# Altium PCB cyber60-mxhs.PcbDoc (part 1 of 4)
Units mm, origin at the board's own origin, x right, y up, seen from the top; angles counter-clockwise.
Board outline 284.73 x 94.2 mm, 2 copper layers (Component Side, Bottom Layer), stack 1.571 mm thick; 236 components, 146 nets, 1621 pads, 605 vias.
Unrouted connection lines stored in the file: 6.
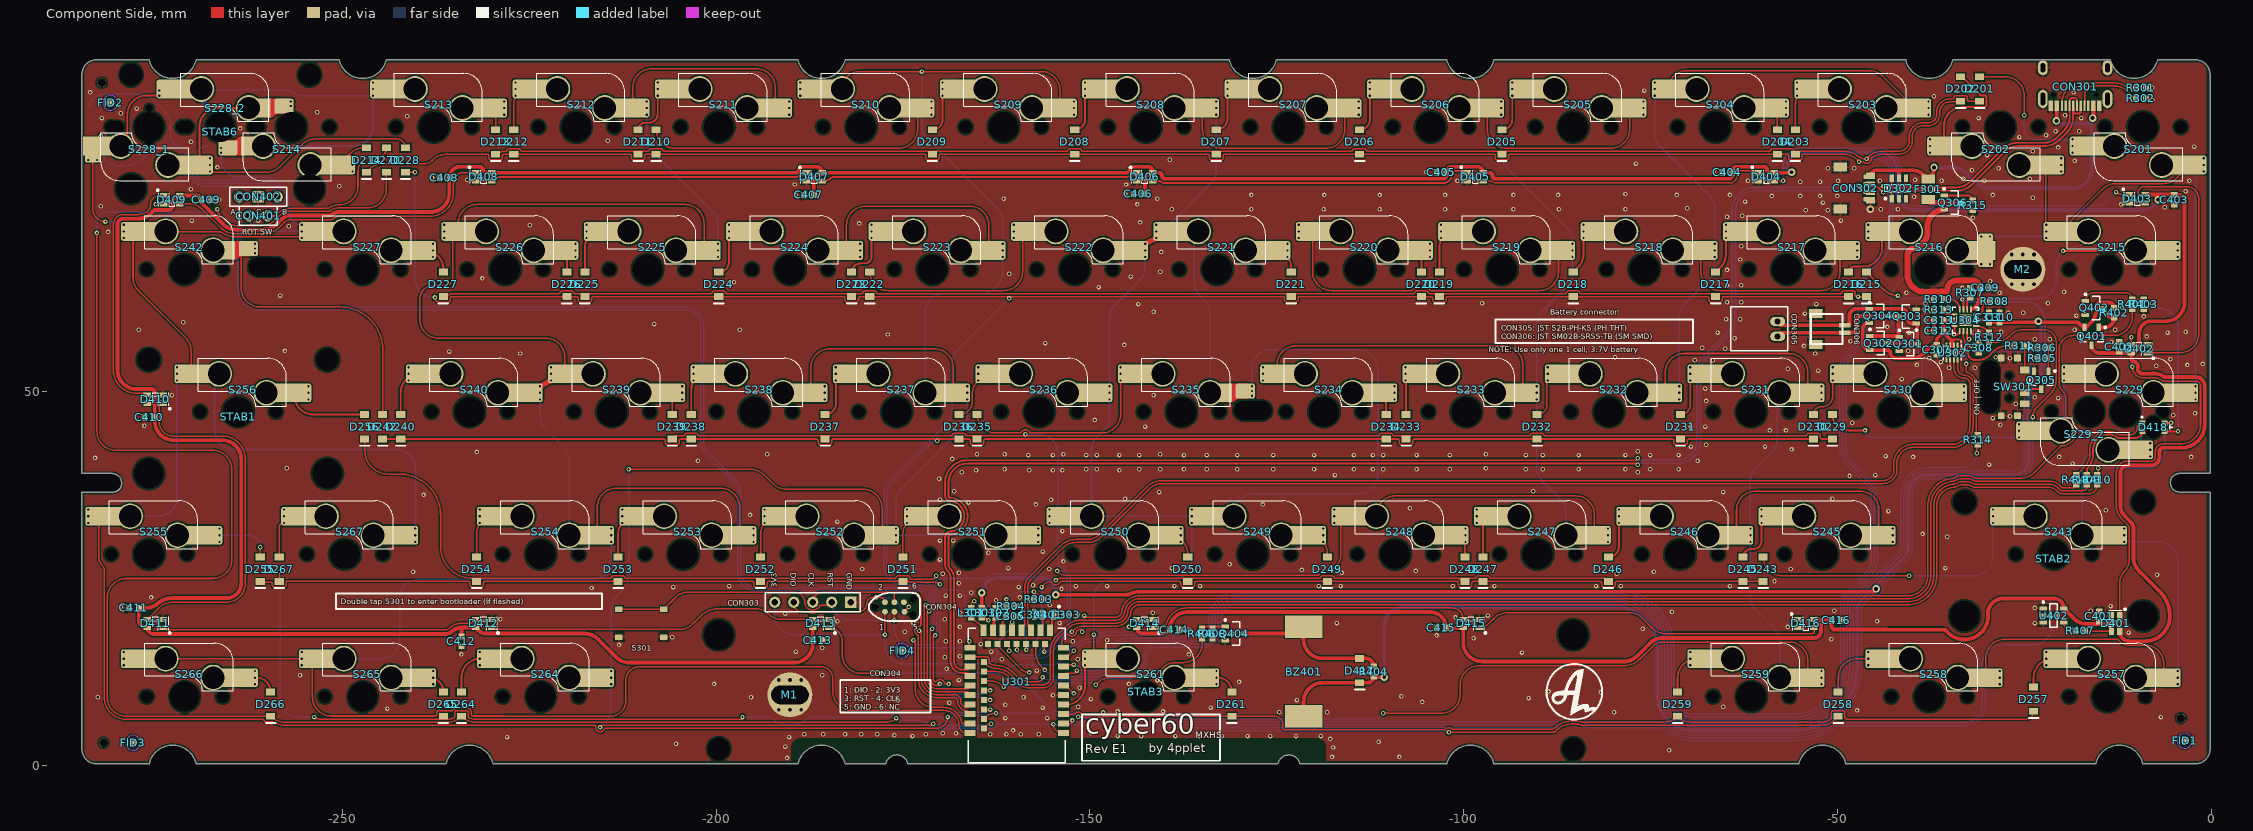
[diagram p0: Component Side view]
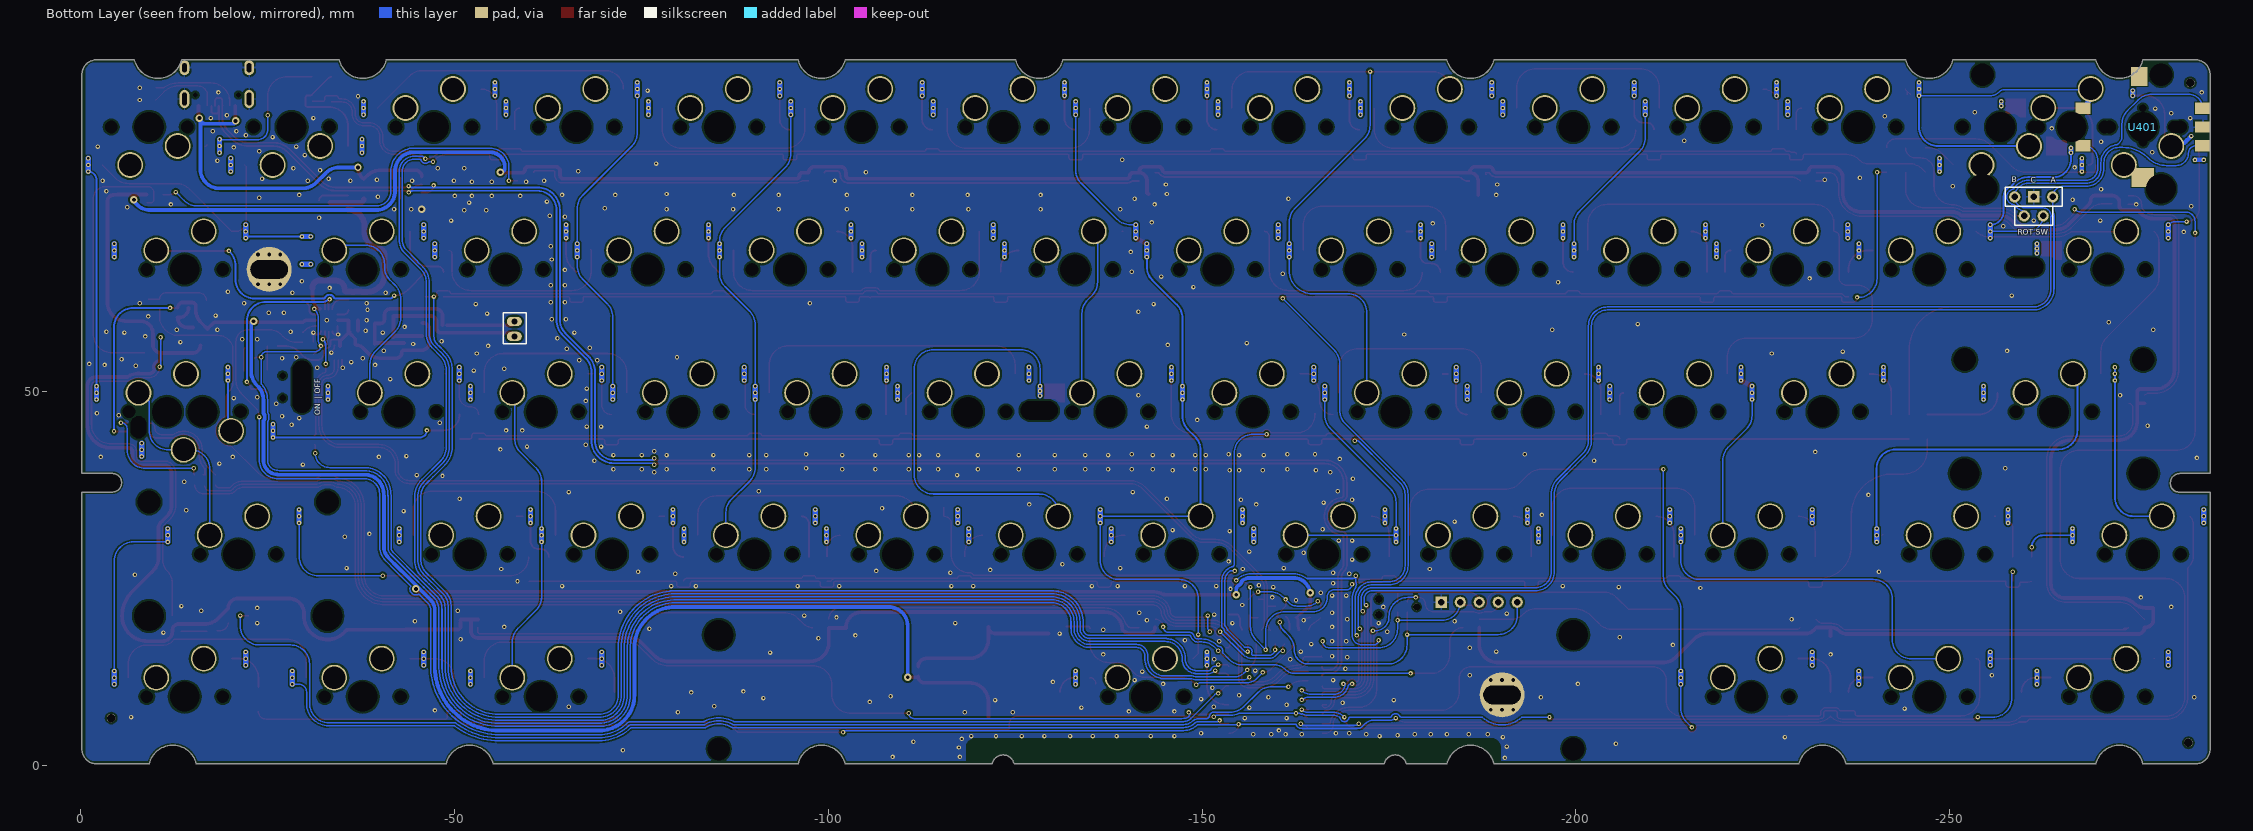
[diagram p1: Bottom Layer view, seen from below]
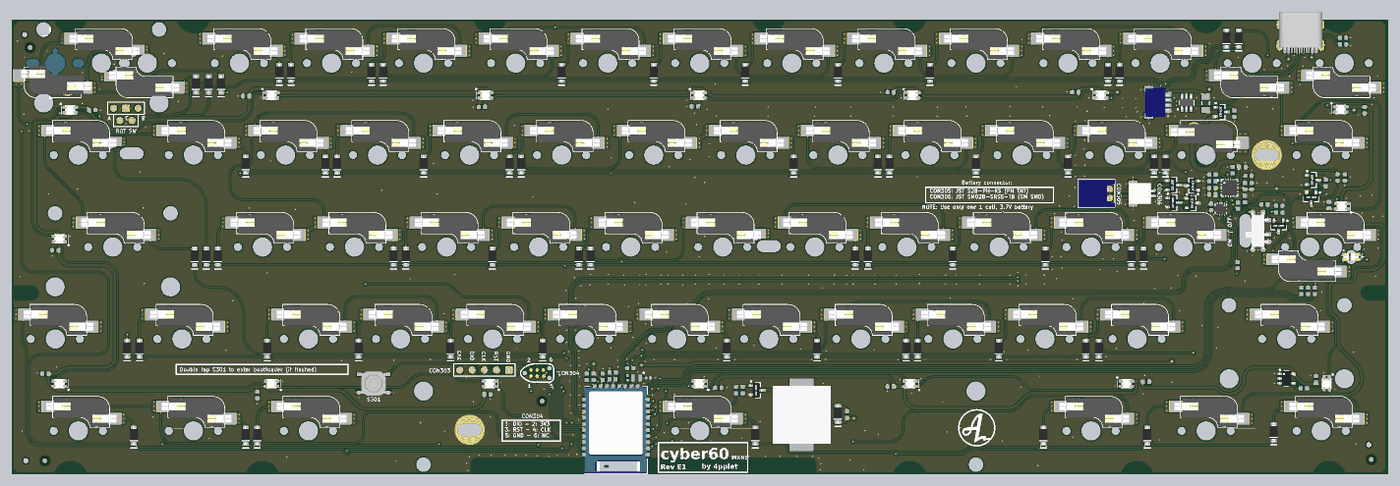
[diagram p5: 3D render of the assembled board from above, using the file's embedded part models]

## Layer stack, top to bottom
Top Solder: solder mask 0.0102, Solder Resist, Dk 3.5
Component Side: signal copper 0.0356
Dielectric 1: core 1.5, FR-4, Dk 4.2
Bottom Layer: signal copper 0.0356
Solder Side: solder mask 0.0102, Solder Resist, Dk 3.5

## Board outline
-284.85,2.215 ccw(c-282.85,2.215) -282.85,0.215 -275.85,0.215 cw(c-272.7,-0.52) -269.55,0.215 -236.137,0.215 cw(c-232.987,-0.52) -229.838,0.215 -189.05,0.215 cw(c-185.9,-0.52) -182.75,0.215 -177.293,0.215 -177.293,0.254 cw(c-175.832,-0.087) -174.371,0.254 -124.842,0.254 cw(c-123.381,-0.087) -121.92,0.254 -121.92,0.215 -102.25,0.215 cw(c-99.1,-0.52) -95.95,0.215 -55.161,0.215 cw(c-52.011,-0.52) -48.861,0.215 -15.45,0.215 cw(c-12.3,-0.52) -9.15,0.215 -2.15,0.215 ccw(c-2.15,2.215) -0.15,2.215 ccw(c-0.15,2.238) -0.127,2.238 -0.127,36.576 -4.191,36.576 cw(c-4.191,37.846) -5.461,37.846 cw(c-4.242,37.846) -4.242,39.065 -0.15,39.065 -0.15,92.415 ccw(c-2.15,92.415) -2.15,94.415 -7.177,94.415 cw(c-10.327,95.149) -13.477,94.415 -34.575,94.415 cw(c-37.724,95.149) -40.874,94.415 -95.95,94.415 cw(c-99.1,95.149) -102.25,94.415 -125.061,94.415 cw(c-128.212,95.149) -131.361,94.415 -182.75,94.415 cw(c-185.9,95.149) -189.05,94.415 -244.125,94.415 cw(c-247.274,95.149) -250.424,94.415 -269.55,94.415 cw(c-272.7,95.149) -275.85,94.415 -282.85,94.415 ccw(c-282.85,92.415) -284.85,92.415 -284.85,39.065 -280.797,39.065 cw(c-280.797,37.795) -279.527,37.795 -279.527,37.719 cw(c-280.67,37.719) -280.67,36.576 -284.861,36.576 -284.85,36.565

## Design rules (kind name [scope] priority, off if disabled: settings)
BoardOutlineClearance [All] p1: gap=0.305 ignorepadtopadclearanceinfootprint=FALSE except(0: Arc-SplitContinuation Track-SplitContinuation SMDPad-SplitContinuation THPad-SplitContinuation Via-SplitContinuation Fill-SplitContinuation Poly-SplitContinuation Region-SplitContinuation Text-SplitContinuation)
Clearance [All] p1: gap=0.2 ignorepadtopadclearanceinfootprint=FALSE except(0: Arc-Hole Track-Hole SMDPad-Hole THPad-Hole Via-Hole Fill-Hole Poly-Hole Region-Hole Text-Hole; 0.254: THPad-THPad THPad-Via THPad-Fill THPad-Poly THPad-Region THPad-Text Via-Via Via-Fill Via-Poly Via-Region Via-Text Fill-Fill Fill-Poly Fill-Region Fill-Text Poly-Poly Poly-Region Poly-Text Region-Region Region-Text Text-Text)
ComponentClearance [InComponent('No Component') And OnLayer('Component Side')] p1: gap=0.254 collisioncheckmode=3 verticalgap=0.254 showdistances=FALSE
DiffPairsRouting DiffPairsRouting_USB [InDifferentialPairClass('All Differential Pairs')] p1: maxlimit=0.254 minlimit=0.203 mostfreqgap=0.203 toplayer_minwidth=0.152 toplayer_maxwidth=0.381 toplayer_prefwidth=0.152 bottomlayer_minwidth=0.152 bottomlayer_maxwidth=0.381 bottomlayer_prefwidth=0.152 maxuncoupledlength=12.7
DiffPairsRouting [All] p2: maxlimit=0.254 minlimit=0.254 mostfreqgap=0.254 toplayer_minwidth=0.381 toplayer_maxwidth=0.381 toplayer_prefwidth=0.381 bottomlayer_minwidth=0.381 bottomlayer_maxwidth=0.381 bottomlayer_prefwidth=0.381 maxuncoupledlength=12.7
HoleSize [All] p1: absolutevalues=TRUE maxlimit=20 minlimit=0.025 maxpercent=80.000 minpercent=20.000
MatchedLengths MatchedLengths_USB_DiffPairs_1 [All] p1: tolerance=0.127 checknetsindiffpair=TRUE checkdiffpairvsdiffpair=FALSE checkxsignals=FALSE checkothers=FALSE
MatchedLengths MatchedLengths_USB_DiffPairs [All] p2: tolerance=0.127 checknetsindiffpair=TRUE checkdiffpairvsdiffpair=FALSE checkxsignals=FALSE checkothers=FALSE
PolygonConnect PolygonConnect_1 [All vs IsVia] p1: connectstyle=Direct reliefconductorwidth=0.254 reliefentries=4 polygonreliefangle="90 Angle" airgapwidth=0.254
PolygonConnect [All] p2: connectstyle=Relief reliefconductorwidth=0.254 reliefentries=4 polygonreliefangle="90 Angle" airgapwidth=0.254
RoutingVias [All] p1: holewidth=0.711 width=1.27 viastyle="Through Hole" minholewidth=0.3 minwidth=0.6 maxholewidth=0.711 maxwidth=1.27
SolderMaskExpansion [All] p1: expansion=0.102 istentingtop=FALSE
Width [All] p1: maxlimit=1.016 minlimit=0.203 preferedwidth=0.203
27 further rules are at their usual default settings.

## Classes and differential pairs
component class Designator: 2 C201 C202 C203 C204 C205 C206 D201 D202 D203 D204 D205 D206 D207 D208 D209 D210 D211 D212 D213 D214 D215 D216 D217 D218 D219 D220 D221 D222 D223 D224 D225 D226 D227 D228 D229 D230 D231 D232 D233 D234 D235 D236 D237 D238 D239 D240 D242 D243 D245 D246 D247 D248 D249 D250 D251 D252 D253 D254 D255 D256 D257 D258 D259 D261 D264 D265 D266 D267 D270 S201 S202 S203 S204 S205 S206 S207 S208 S209 S210 S211 S212 S213 S214 S215 S216 S217 S218 S219 S220 S221 S222 S223 S224 S225 S226 S227 S228_1 S228_2 S229 S229_2 S230 S231 S232 S233 S234 S235 S236 S237 S238 S239 S240 S242 S243 S245 S246 S247 S248 S249 S250 S251 S252 S253 S254 S255 S256 S257 S258 S259 S261 S264 S265 S266 S267 STAB1 STAB2 STAB3 STAB6
differential pair D: +D_P -D_N

## Components (designator, comment, footprint, x,y, rotation, side; value= is the part's Value field where it differs from the comment)
BZ401 "12x12mm buzzer" "buzzer 12x12" -121.412,12.573 r90 top locked
C301 "" C0603[1608] -164.465,20.447 r90 top value=0.1uF
C302 "" C0603[1608] -162.587,20.447 r270 top value=4.7uF
C303 "" C0402[1005] -153.162,20.193 r180 top value=12pF
C304 "" C0402[1005] -157.48,20.193 r270 top value=12pF
C305 "" C0603[1608] -160.555,19.939 r0 top value=1uF
C307 "" C0603[1608] -36.703,55.626 r90 top value=0.1uF
C308 "" C0603[1608] -31.115,55.88 r270 top value=1uF
C309 "" C0603[1608] -30.226,63.881 r180 top value=0.1uF
C310 "" C0603[1608] -28.321,59.944 r270 top value=1uF
C311 "" C0603[1608] -29.718,59.944 r270 top
C312 "" C0603[1608] -36.449,58.166 r0 top value=1uF
C313 "" C0603[1608] -36.449,59.563 r0 top value=4,7uF
C401 "" C0603[1608] -14.986,19.939 r270 top value=0.1uF
C402 "" C0603[1608] -12.319,56.007 r270 top value=0.1uF
C403 "" C0603[1608] -4.953,75.692 r90 top value=0.1uF
C404 "" C0603[1608] -64.77,79.375 r0 top value=0.1uF
C405 "" C0603[1608] -102.997,79.375 r0 top value=0.1uF
C406 "" C0603[1608] -143.51,76.454 r0 top value=0.1uF
C407 "" C0603[1608] -187.579,76.327 r0 top value=0.1uF
C408 "" C0603[1608] -236.347,78.613 r0 top value=0.1uF
C409 "" C0603[1608] -268.224,75.692 r180 top value=0.1uF
C410 "" C0603[1608] -275.844,46.609 r0 top value=0.1uF
C411 "" C0603[1608] -277.876,21.082 r0 top value=0.1uF
C412 "" C0603[1608] -234.061,16.637 r90 top value=0.1uF
C413 "" C0603[1608] -186.436,16.764 r180 top value=0.1uF
C414 "" C0603[1608] -138.684,18.161 r180 top value=0.1uF
C415 "" C0603[1608] -102.997,18.415 r0 top value=0.1uF
C416 "" C0603[1608] -50.165,19.431 r180 top value=0.1uF
CON301 "TYPE-C-31-M-12" TYPE-C-31-M-12 -18.2,88.25 r180 top
CON302 "Header 5" UDB_COMBO_JST_MOLEX -47.75,77.25 r270 top
CON303 "Header 5" HDR1X5 -181.991,21.844 r180 top
CON304 "TC2030-IDC" TC2030-IDC-NL -176.149,21.209 r0 top
CON305 "JST S2B-PH THT" "JST S2B-PH-K(LF)(SN)" -58,58.404 r90 top
CON306 "JST SM02B SMD" "JST SM02B-SRSS-TB" -49,58.396 r270 top
CON401 "Header 2" HDR1X2 -259.969,73.533 r180 top
CON402 "Header 3" HDR1X3 -258.699,76.073 r180 top
D201 "Diode" SOD-123 -30.988,90.5 r90 top
D202 "Diode" SOD-123 -33.528,90.5 r90 top
D203 "Diode" SOD-123 -55.626,83.415 r90 top
D204 "Diode" SOD-123 -58.039,83.415 r90 top
D205 "Diode" SOD-123 -94.869,83.415 r90 top
D206 "Diode" SOD-123 -113.919,83.415 r90 top
D207 "Diode" SOD-123 -133.096,83.415 r90 top
D208 "Diode" SOD-123 -152.019,83.415 r90 top
D209 "Diode" SOD-123 -171.069,83.415 r90 top
D210 "Diode" SOD-123 -208.026,83.415 r90 top
D211 "Diode" SOD-123 -210.439,83.415 r90 top
D212 "Diode" SOD-123 -227.076,83.415 r90 top
D213 "Diode" SOD-123 -229.489,83.415 r90 top
D214 "Diode" SOD-123 -246.761,81 r90 top
D215 "Diode" SOD-123 -46.101,64.365 r90 top locked
D216 "Diode" SOD-123 -48.514,64.365 r90 top
D217 "Diode" SOD-123 -66.294,64.365 r90 top
D218 "Diode" SOD-123 -85.344,64.365 r90 top
D219 "Diode" SOD-123 -103.251,64.365 r90 top
D220 "Diode" SOD-123 -105.664,64.365 r90 top
D221 "Diode" SOD-123 -123.063,64.365 r90 top
D222 "Diode" SOD-123 -179.451,64.365 r90 top
D223 "Diode" SOD-123 -181.864,64.365 r90 top
D224 "Diode" SOD-123 -199.644,64.365 r90 top
D225 "Diode" SOD-123 -217.551,64.365 r90 top
D226 "Diode" SOD-123 -219.964,64.365 r90 top
D227 "Diode" SOD-123 -236.474,64.365 r90 top
D228 "Diode" SOD-123 -241.554,81 r90 top
D229 "Diode" SOD-123 -50.673,45.315 r90 top
D230 "Diode" SOD-123 -53.213,45.315 r90 top
D231 "Diode" SOD-123 -70.993,45.315 r90 top
D232 "Diode" SOD-123 -90.17,45.315 r90 top
D233 "Diode" SOD-123 -107.696,45.315 r90 top
D234 "Diode" SOD-123 -110.363,45.315 r90 top
D235 "Diode" SOD-123 -165.1,45.315 r90 top
D236 "Diode" SOD-123 -167.513,45.315 r90 top
D237 "Diode" SOD-123 -185.42,45.315 r90 top
D238 "Diode" SOD-123 -203.327,45.315 r90 top
D239 "Diode" SOD-123 -205.867,45.315 r90 top
D240 "Diode" SOD-123 -242.189,45.315 r90 top
D242 "Diode" SOD-123 -244.602,45.315 r90 top
D243 "Diode" SOD-123 -59.944,26.265 r90 top
D245 "Diode" SOD-123 -62.611,26.265 r90 top
D246 "Diode" SOD-123 -80.645,26.265 r90 top
D247 "Diode" SOD-123 -97.409,26.265 r90 top
D248 "Diode" SOD-123 -99.822,26.265 r90 top
D249 "Diode" SOD-123 -118.237,26.265 r90 top
D250 "Diode" SOD-123 -136.906,26.265 r90 top
D251 "Diode" SOD-123 -175.006,26.265 r90 top
D252 "Diode" SOD-123 -194.056,26.265 r90 top
D253 "Diode" SOD-123 -213.106,26.265 r90 top
D254 "Diode" SOD-123 -232.029,26.265 r90 top
D255 "Diode" SOD-123 -260.985,26.265 r90 top
D256 "Diode" SOD-123 -247.015,45.315 r90 top
D257 "Diode" SOD-123 -23.749,8.89 r90 top
D258 "Diode" SOD-123 -49.911,8.215 r90 top
D259 "Diode" SOD-123 -71.374,8.215 r90 top
D261 "Diode" SOD-123 -131,8.215 r90 top
D264 "Diode" SOD-123 -234.061,8.215 r90 top
D265 "Diode" SOD-123 -236.474,8.215 r90 top
D266 "Diode" SOD-123 -259.588,8.215 r90 top
D267 "Diode" SOD-123 -258.445,26.265 r90 top
D270 "Diode" SOD-123 -244.094,81 r90 top
D302 "SRV05" SOT-23-6 -41.783,77.216 r270 top
D401 "WS2812B" "WS2812B - 2020" -12.8,19 r270 top
D402 "WS2812B" "WS2812B - 2020" -9.652,55.753 r180 top
D403 "WS2812B" "WS2812B - 2020" -9.873,75.829 r0 top
D404 "WS2812B" "WS2812B - 2020" -59.5,78.75 r0 top
D405 "WS2812B" "WS2812B - 2020" -98.433,78.75 r0 top
D406 "WS2812B" "WS2812B - 2020" -142.65,78.75 r0 top
D407 "WS2812B" "WS2812B - 2020" -186.867,78.75 r0 top
D408 "WS2812B" "WS2812B - 2020" -231.083,78.75 r0 top
D409 "WS2812B" "WS2812B - 2020" -272.796,75.692 r0 top
D410 "WS2812B" "WS2812B - 2020" -275,49 r180 top
D411 "WS2812B" "WS2812B - 2020" -275,19 r180 top
D412 "WS2812B" "WS2812B - 2020" -231.083,19 r180 top
D413 "WS2812B" "WS2812B - 2020" -186,19 r180 top
D414 "WS2812B" "WS2812B - 2020" -142.65,19 r180 top
D415 "WS2812B" "WS2812B - 2020" -99,19 r180 top
D416 "WS2812B" "WS2812B - 2020" -54.217,19 r0 top
D417 "B5819W" SOD-123 -113.919,12.7 r90 top
D418 "MHT151RGBCT" MHT151RGBCT -7.723,45.254 r180 top locked
F301 "Fuse Thermal" C1206[3216] -37.846,77.089 r90 top
FID1 "Plug" Fiducial_Nordic -3.556,3.302 r90 top
FID2 "Plug" Fiducial_Nordic -281.051,88.646 r90 top
FID3 "Plug" Fiducial_Nordic -278.003,3.048 r90 top
FID4 "Plug" Fiducial_Nordic -175.133,15.367 r90 top
L301 "Inductor" L0603[1608] -165.889,20.447 r270 top
M1 "Socket" mounting_hole -190.119,9.45 r0 top
M2 "Socket" mounting_hole -25.2,66.365 r0 top
Q301 "2N7002 NMOS" SOT-23-3 -40.513,56.388 r180 top
Q302 "SI2301CDS PMOS" SOT-23-3 -44.45,56.515 r180 top
Q303 "2N7002 NMOS" SOT-23-3 -40.64,60.071 r0 top
Q304 "SI2301CDS PMOS" SOT-23-3 -44.52,60.137 r180 top
Q305 "2N7002 NMOS" SOT-23-3 -22.733,51.562 r90 top
Q306 "SI2301CDS PMOS" SOT-23-3 -34.544,75.311 r180 top
Q401 "SI2301CDS PMOS" SOT-23-3 -16.002,57.404 r90 top
Q402 "2N7002 NMOS" SOT-23-3 -15.621,61.214 r180 top
Q404 "2N7002 NMOS" SOT-23-3 -130.683,17.653 r180 top
R301 "Res1" R0603[1608] -9.398,90.678 r0 top value=5k1
R302 "Res1" R0603[1608] -9.398,89.281 r0 top value=5k1
R303 "Res1" R0603[1608] -156.845,22.225 r180 top value=10K
R304 "Res1" R0603[1608] -160.528,21.336 r0 top value=10K
R305 "Res1" R0603[1608] -22.606,54.483 r0 top value=100
R306 "Res1" R0603[1608] -22.606,55.88 r180 top value=10K
R307 "Res1" R0603[1608] -32.258,63.246 r90 top value=47K
R308 "Res1" R0603[1608] -28.956,62.103 r0 top value=1K5
R310 "Res1" R0603[1608] -36.449,62.357 r180 top value=3K9
R311 "Res1" R0603[1608] -25.654,56.134 r180 top value=100K
R312 "Res1" R0603[1608] -29.718,57.277 r270 top value=10K
R313 "Res1" R0603[1608] -36.449,60.96 r180 top value=10K
R314 "Res1" R0603[1608] -31.242,43.561 r270 top value=10K
R315 "Res1" R0603[1608] -31.877,74.93 r270 top value=1K5
R401 "Res1" R0603[1608] -10.541,61.722 r90 top value=330R
R402 "Res1" R0603[1608] -12.954,60.579 r90 top value=2M
R403 "Res1" R0603[1608] -9.017,61.722 r270 top value=1M
R404 "Res1" R0603[1608] -112.014,12.573 r90 top value=680R
R406 "Res1" R0603[1608] -135.001,17.653 r270 top value=330R
R407 "Res1" R0603[1608] -17.526,18.034 r180 top value=330R
R408 "Res1" R0603[1608] -133.604,17.653 r270 top value=100k
R409 "Res1" R0603[1608] -16.637,38.227 r270 top value=330R
R410 "Res1" R0603[1608] -15.24,38.227 r270 top value=330R
R411 "Res1" R0603[1608] -18.034,38.227 r90 top value=330R
S201 "MX" "MXHS-switch - 1U Top layer - switched pol AS2"#1 -9.15,85.415 r180 top locked
S202 "MX" "MXHS-switch - 1U Top layer - switched pol AS2"#1 -28.2,85.415 r180 top locked
S203 "MX" "MXHS-switch - 1U Top layer - AS2"#1 -47.25,85.415 r0 top locked
S204 "MX" "MXHS-switch - 1U Top layer - switched pol AS2"#1 -66.3,85.415 r0 top locked
S205 "MX" "MXHS-switch - 1U Top layer - AS2"#1 -85.35,85.415 r0 top locked
S206 "MX" "MXHS-switch - 1U Top layer - AS2"#1 -104.4,85.415 r0 top locked
S207 "MX" "MXHS-switch - 1U Top layer - AS2"#1 -123.45,85.415 r0 top locked
S208 "MX" "MXHS-switch - 1U Top layer - AS2"#1 -142.501,85.415 r0 top locked
S209 "MX" "MXHS-switch - 1U Top layer - AS2"#1 -161.551,85.415 r0 top locked
S210 "MX" "MXHS-switch - 1U Top layer - switched pol AS2"#1 -180.601,85.415 r0 top locked
S211 "MX" "MXHS-switch - 1U Top layer - AS2"#1 -199.651,85.415 r0 top locked
S212 "MX" "MXHS-switch - 1U Top layer - AS2"#1 -218.701,85.415 r0 top locked
S213 "MX" "MXHS-switch - 1U Top layer - switched pol AS2"#1 -237.751,85.415 r0 top locked
S214 "MX" "MXHS-switch - 1U Top layer - AS2 - S2"#1 -256.801,85.415 r180 top
S215 "MX" "MXHS-switch - 1U Top layer - switched pol AS2"#1 -13.913,66.365 r0 top locked
S216 "MX" "MXHS-switch - 1U Top layer - AS2 - S1"#1 -37.725,66.365 r0 top locked
S217 "MX" "MXHS-switch - 1U Top layer - AS2"#1 -56.775,66.365 r0 top locked
S218 "MX" "MXHS-switch - 1U Top layer - AS2"#1 -75.825,66.365 r0 top locked
S219 "MX" "MXHS-switch - 1U Top layer - AS2"#1 -94.875,66.365 r0 top locked
S220 "MX" "MXHS-switch - 1U Top layer - switched pol AS2"#1 -113.925,66.365 r0 top locked
S221 "MX" "MXHS-switch - 1U Top layer - switched pol AS2"#1 -132.976,66.365 r0 top locked
S222 "MX" "MXHS-switch - 1U Top layer - AS2"#1 -152.026,66.365 r0 top locked
S223 "MX" "MXHS-switch - 1U Top layer - AS2"#1 -171.076,66.365 r0 top locked
S224 "MX" "MXHS-switch - 1U Top layer - AS2"#1 -190.126,66.365 r0 top locked
S225 "MX" "MXHS-switch - 1U Top layer - AS2"#1 -209.176,66.365 r0 top locked
S226 "MX" "MXHS-switch - 1U Top layer - switched pol AS2"#1 -228.226,66.365 r0 top locked
S227 "MX" "MXHS-switch - 1U Top layer - switched pol AS2"#1 -247.276,66.365 r0 top locked
S228_1 "MX" "MXHS-switch - 1U Top layer - AS2 - S1"#2 -275.844,85.415 r180 top
S228_2 "MX" "MXHS-switch - 1U Top layer - AS2 - S2"#2 -266.326,85.415 r0 top
S229 "MX" "MXHS-switch - 1U Top layer - AS2"#2 -11.531,47.315 r180 top locked
S229_2 "MX" "MXHS-switch - 1U Top layer - switched pol AS2"#2 -16.294,47.315 r0 top locked
S230 "MX" "MXHS-switch - 1U Top layer - AS2"#1 -42.488,47.315 r0 top locked
S231 "MX" "MXHS-switch - 1U Top layer - AS2"#1 -61.538,47.315 r0 top locked
S232 "MX" "MXHS-switch - 1U Top layer - AS2"#1 -80.588,47.315 r0 top locked
S233 "MX" "MXHS-switch - 1U Top layer - AS2"#1 -99.638,47.315 r0 top locked
S234 "MX" "MXHS-switch - 1U Top layer - switched pol AS2"#1 -118.688,47.315 r0 top locked
S235 "MX" "MXHS-switch - 1U Top layer - AS2 - S2"#3 -137.738,47.315 r0 top locked
S236 "MX" "MXHS-switch - 1U Top layer - AS2"#1 -156.788,47.315 r0 top locked
S237 "MX" "MXHS-switch - 1U Top layer - AS2"#1 -175.838,47.315 r0 top locked
S238 "MX" "MXHS-switch - 1U Top layer - AS2"#1 -194.888,47.315 r0 top locked
S239 "MX" "MXHS-switch - 1U Top layer - switched pol AS2"#1 -213.938,47.315 r0 top locked
S240 "MX" "MXHS-switch - 1U Top layer - AS2"#1 -232.988,47.315 r0 top locked
S242 "MX" "MXHS-switch - 1U Top layer - AS2 - S2"#3 -271.089,66.365 r0 top
S243 "MX" "MXHS-switch - 1U Top layer - AS2"#1 -21.056,28.265 r0 top locked
S245 "MX" "MXHS-switch - 1U Top layer - AS2"#1 -52.013,28.265 r0 top locked
S246 "MX" "MXHS-switch - 1U Top layer - AS2"#1 -71.063,28.265 r0 top locked
S247 "MX" "MXHS-switch - 1U Top layer - AS2"#1 -90.113,28.265 r0 top locked
S248 "MX" "MXHS-switch - 1U Top layer - switched pol AS2"#1 -109.163,28.265 r0 top locked
S249 "MX" "MXHS-switch - 1U Top layer - switched pol AS2"#1 -128.212,28.265 r0 top locked
S250 "MX" "MXHS-switch - 1U Top layer - switched pol AS2"#1 -147.263,28.265 r0 top locked
S251 "MX" "MXHS-switch - 1U Top layer - AS2"#1 -166.313,28.265 r0 top locked
S252 "MX" "MXHS-switch - 1U Top layer - AS2"#1 -185.363,28.265 r0 top locked
S253 "MX" "MXHS-switch - 1U Top layer - AS2"#1 -204.413,28.265 r0 top locked